# Altium PCB duo_x.PcbDoc (part 1 of 3) (continued)
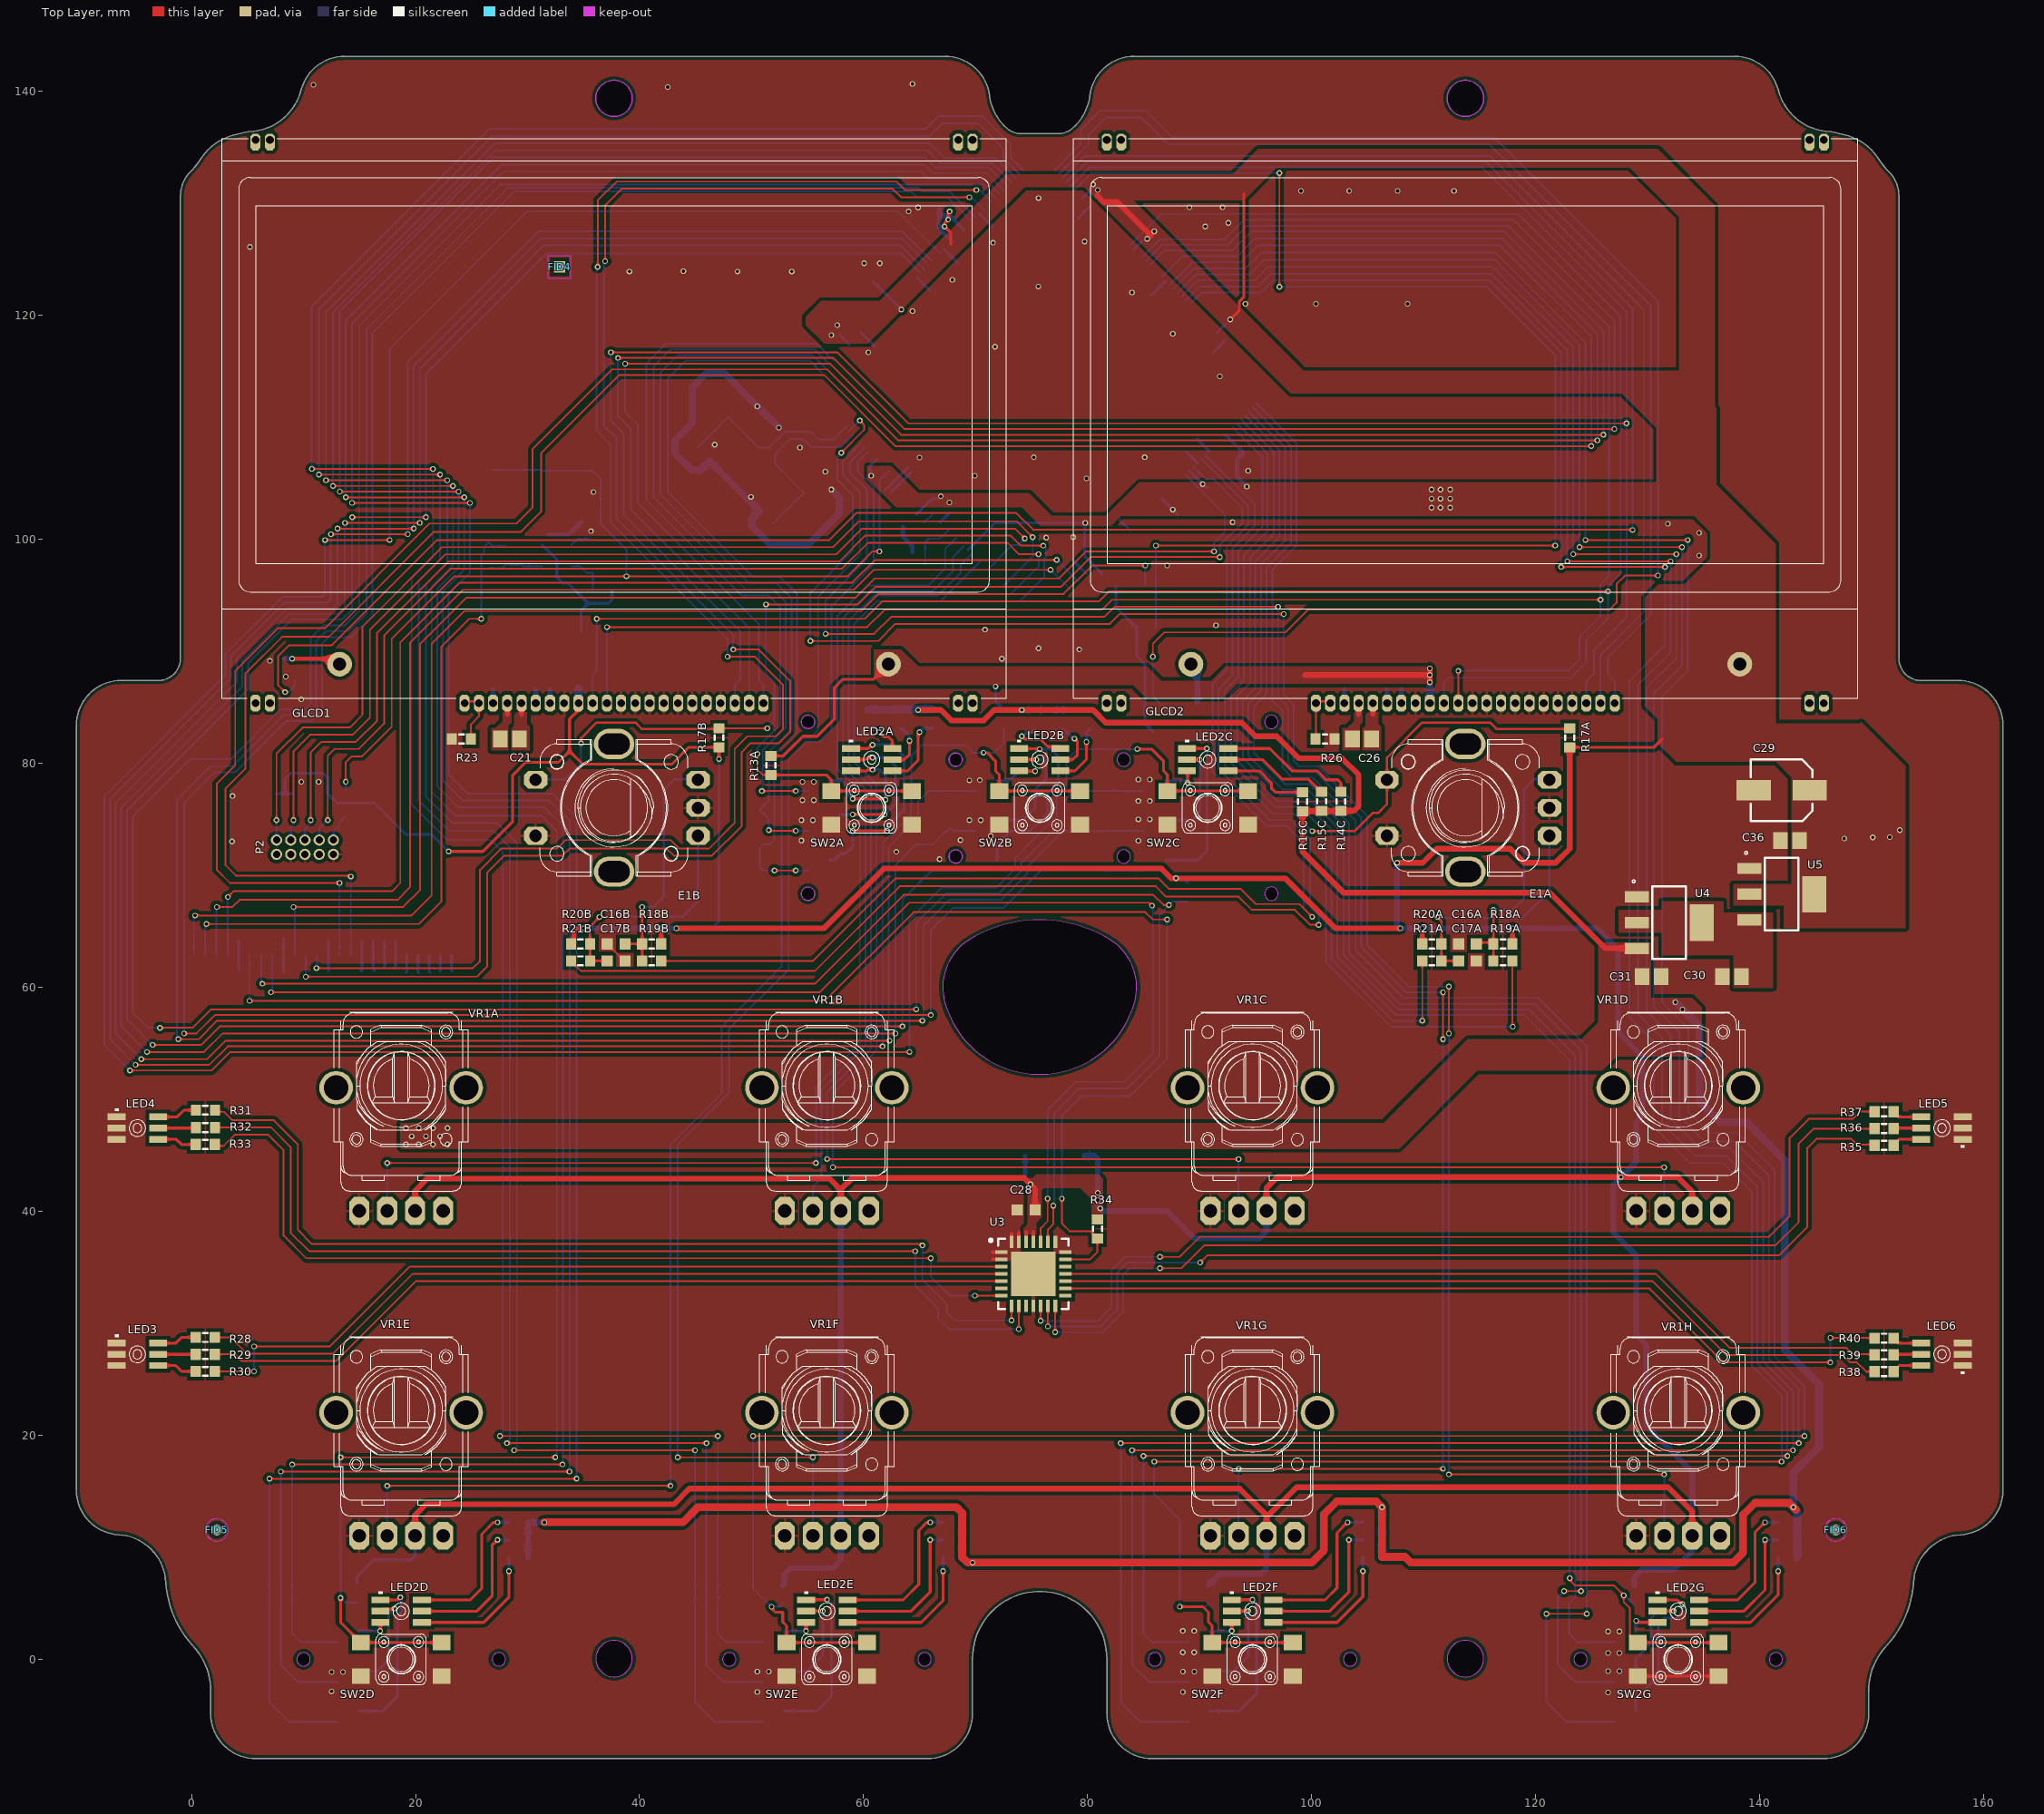
[diagram p0: Top Layer view]
## Part data (continued)
Q1 Q2A Q2B Q2C Q2D Q2E Q2F Q2G Q3A Q3B Q3C Q3D Q3E Q3F Q3G Q4A Q4B Q4C Q4D Q4E Q4F Q4G Q5 Q6: "MOSFET N-CH 60V 115MA SOT-23", Case/Package=SOT-23, Continuous Drain Current (ID)=115mA, Drain to Source Breakdown Voltage=60V, Drain to Source Resistance=1.2R, Gate to Source Voltage (Vgs)=20V, Input Capacitance=50pF, Manufacturer 1="ON Semiconductor / Fairchild", Max Operating Temperature=150°C, Max Power Dissipation=200mW, Min Operating Temperature=-55°C, On-State Resistance=5.3R, Package Quantity=1, Supplier Part Number 1=2N7002NCT-ND, Threshold Voltage=2.1V, ComponentLink1Description=https://datasheet.ciiva.com/931/2n7000-931777.pdf, ComponentLink1URL=https://datasheet.ciiva.com/931/2n7000-931777.pdf, ComponentLink2Description=https://datasheet.ciiva.com/27746/47-0120-27746881.pdf, ComponentLink2URL=https://datasheet.ciiva.com/27746/47-0120-27746881.pdf, ComponentLink3Description=https://datasheet.ciiva.com/1254/2n7002-1254451.pdf, ComponentLink3URL=https://datasheet.ciiva.com/1254/2n7002-1254451.pdf, ComponentLink4Description=https://datasheet.ciiva.com/15137/getdatasheetpartid-93547-15137771.pdf, ComponentLink4URL=https://datasheet.ciiva.com/15137/getdatasheetpartid-93547-15137771.pdf, ComponentLink5Description=https://datasheet.ciiva.com/931/2n7000-931762.pdf, ComponentLink5URL=https://datasheet.ciiva.com/931/2n7000-931762.pdf, ComponentLink6Description=https://datasheet.ciiva.com/931/2n7000-931763.pdf, ComponentLink6URL=https://datasheet.ciiva.com/931/2n7000-931763.pdf, ComponentLink7Description=https://datasheet.ciiva.com/931/2n7000-931764.pdf, ComponentLink7URL=https://datasheet.ciiva.com/931/2n7000-931764.pdf, ComponentLink8Description=https://datasheet.ciiva.com/1254/660093-1254452.pdf, ComponentLink8URL=https://datasheet.ciiva.com/1254/660093-1254452.pdf, ComponentLink9Description=https://datasheet.ciiva.com/1188/660093-1188359.pdf, ComponentLink9URL=https://datasheet.ciiva.com/1188/660093-1188359.pdf, ComponentLink10Description=https://datasheet.ciiva.com/1188/660093-1188361.pdf, ComponentLink10URL=https://datasheet.ciiva.com/1188/660093-1188361.pdf, ComponentLink11Description=https://datasheet.ciiva.com/17007/2n7002-17007243.pdf, ComponentLink11URL=https://datasheet.ciiva.com/17007/2n7002-17007243.pdf, ComponentLink12Description=https://datasheet.ciiva.com/3304/nds7002a-3304380.pdf, ComponentLink12URL=https://datasheet.ciiva.com/3304/nds7002a-3304380.pdf, ComponentLink13Description=https://datasheet.ciiva.com/3304/nds7002a-3304381.pdf, ComponentLink13URL=https://datasheet.ciiva.com/3304/nds7002a-3304381.pdf, ComponentLink14Description=https://datasheet.ciiva.com/22655/660093-22655230.pdf, ComponentLink14URL=https://datasheet.ciiva.com/22655/660093-22655230.pdf, Contact Plating=Tin,Matte, Current=115mA, Current Rating=115mA, Drain to Source Voltage (Vdss)=60V, Dual Supply Voltage=60V, Element Configuration=Single, Height=0.93mm, Lead Free="Lead Free", Length=2.92mm, Manufacturer Part Number 1=2N7002, Mount="Surface Mount", Nominal Vgs=2.1V, Number of Elements=1, Number of Pins=3, Packaging="Tape and Reel", Power Dissipation=200mW, Pricing 1="1=0.33, 10=0.304, 100=0.17, 500=0.09108, 1000=0.06193 (USD)", Radiation Hardening=No, Rds On Max=7.5R, REACH SVHC="No SVHC", Stock 1=111118, Supplier 1=Digi-Key, Voltage=60V, Voltage Rating (DC)=60V, Width=3.05mm
R1 R6 R7 R8 R9 R10 R11 R12 R13A R13B R13C R13D R13E R13F R13G R17A R17B R18A R18B R19A R19B R20A R20B R21A R21B R23 R26 R34: library part AC0603JR-0710KL, "RES SMD 10K OHM 5% 1/10W 0603", Case/Package=0603, Case Code (Metric)=1608, Manufacturer 1=Yageo, Max Operating Temperature=155°C, Max Power Dissipation=100mW, Min Operating Temperature=-55°C, Package Quantity=1, Resistance=10kR, Supplier Part Number 1=311-10KLECT-ND, Temperature Coefficient=100ppm/°C, Tolerance=5%, Voltage Rating=50V, Case Code (Imperial)=0603, ComponentLink1Description=https://datasheet.ciiva.com/5562/pyu-ac-51-rohs-l-2-5562553.pdf, ComponentLink1URL=https://datasheet.ciiva.com/5562/pyu-ac-51-rohs-l-2-5562553.pdf, Composition="Thick Film", Depth=0.8mm, Features="Moisture Resistant,Automotive AEC-Q200,Anti-Sulfur", Height=0.022inch, Lead Free="Lead Free", Length=0.063inch, Manufacturer Part Number 1=AC0603JR-0710KL, Military Standard=Not, Number of Terminations=2, Packaging="Tape and Reel", Power Rating=100mW, Pricing 1="1=0.1, 10=0.032, 100=0.0131, 1000=0.00588, 2500=0.0051 (USD)", Stock 1=60451, Supplier 1=Digi-Key, Termination=SMD/SMT, Width=0.031inch
R2 R3 R4 R24A R24B R24C R24D R24E R24F R24G R27A R27B R27C R27D R27E R27F R27G R46A R46B R46C R46D R46E R46F R46G: library part ESR03EZPJ104, "RES SMD 100K OHM 5% 1/4W 0603", Case/Package=0603, Case Code (Metric)=1608, Manufacturer 1=Rohm, Max Operating Temperature=155°C, Max Power Dissipation=250mW, Min Operating Temperature=-55°C, Package Quantity=1, Power Rating=200mW, Resistance=100kR, Supplier Part Number 1=RHM100KDCT-ND, Temperature Coefficient=200ppm/°C, Tolerance=5%, Case Code (Imperial)=0603, ComponentLink1Description=https://datasheet.ciiva.com/14930/esr-14930633.pdf, ComponentLink1URL=https://datasheet.ciiva.com/14930/esr-14930633.pdf, ComponentLink2Description=https://datasheet.ciiva.com/14924/esr-14924811.pdf, ComponentLink2URL=https://datasheet.ciiva.com/14924/esr-14924811.pdf, ComponentLink3Description=https://datasheet.ciiva.com/14928/esr-14928813.pdf, ComponentLink3URL=https://datasheet.ciiva.com/14928/esr-14928813.pdf, Composition="Thick Film", Height=0.022inch, Lead Free="Lead Free", Length=0.063inch, Manufacturer Part Number 1=ESR03EZPJ104, Number of Terminations=2, Packaging="Cut Tape", Pricing 1="1=0.1, 10=0.087, 100=0.0333, 1000=0.01464, 2500=0.01264 (USD)", Stock 1=17901, Supplier 1=Digi-Key, Width=0.031inch
R5: library part RMCF0603JT160K, "RES SMD 160K OHM 5% 1/10W 0603", Case/Package=0603, Case Code (Metric)=1608, Manufacturer 1="Stackpole Electronics", Max Operating Temperature=155°C, Max Power Dissipation=100mW, Min Operating Temperature=-55°C, Resistance=160kR, Supplier Part Number 1=RMCF0603JT160KCT-ND, Temperature Coefficient=100ppm/°C, Tolerance=5%, Case Code (Imperial)=0603, Composition="Thick Film", Contact Plating=Tin,Matte, Features="Automotive AEC-Q200", Height=0.022inch, Lead Free="Lead Free", Length=0.061inch, Manufacturer Part Number 1=RMCF0603JT160K, Mount="Surface Mount", Number of Terminations=2, Packaging="Tape and Reel", Power Rating=100mW, Pricing 1="1=0.1, 10=0.016, 100=0.0064, 1000=0.00289, 2500=0.0025 (USD)", Radiation Hardening=No, Stock 1=10640, Supplier 1=Digi-Key, Width=0.031inch
R14A R14B R14C R14D R14E R14F R14G: library part AC0603JR-07560RL, "RES SMD 560 OHM 5% 1/10W 0603", Case/Package=0603, Case Code (Metric)=1608, Manufacturer 1=Yageo, Max Operating Temperature=155°C, Max Power Dissipation=100mW, Min Operating Temperature=-55°C, Supplier Part Number 1=YAG3681CT-ND, Temperature Coefficient=100ppm/°C, Tolerance=5%, Voltage Rating=50V, Case Code (Imperial)=0603, ComponentLink1Description=http://www.yageo.com/NewPortal/yageodocoutput?fileName=/pdf/R-Chip/PYu-AC_51_RoHS_L_6.pdf, ComponentLink1URL=http://www.yageo.com/NewPortal/yageodocoutput?fileName=/pdf/R-Chip/PYu-AC_51_RoHS_L_6.pdf, ComponentLink2Description=http://www.mouser.com/ds/2/447/yageodocoutput-1111992.pdf, ComponentLink2URL=http://www.mouser.com/ds/2/447/yageodocoutput-1111992.pdf, Composition="Thick Film", Height=0.022inch, Length=0.063inch, Manufacturer Part Number 1=AC0603JR-07560RL, Number of Terminations=2, Packaging="Tape and Reel", Power Rating=100mW, Pricing 1="1=0.1, 10=0.026, 100=0.0107, 1000=0.00478, 2500=0.00415 (USD)", Resistance=560R, Stock 1=24630, Supplier 1=Digi-Key, Termination=SMD/SMT, Width=0.031inch
R15A R15B R15C R15D R15E R15F R15G R16A R16B R16C R16D R16E R16F R16G: library part RMCF0603JT470R, "RES SMD 470 OHM 5% 1/10W 0603", Case/Package=0603, Case Code (Metric)=1608, Manufacturer 1="Stackpole Electronics", Max Operating Temperature=155°C, Max Power Dissipation=100mW, Min Operating Temperature=-55°C, Package Quantity=1, Supplier Part Number 1=RMCF0603JT470RCT-ND, Temperature Coefficient=100ppm/°C, Tolerance=5%, Working Voltage=75V, Case Code (Imperial)=0603, ComponentLink1Description=https://datasheet.ciiva.com/15193/getdatasheetpartid-360691-15193516.pdf, ComponentLink1URL=https://datasheet.ciiva.com/15193/getdatasheetpartid-360691-15193516.pdf, Composition="Thick Film", Contact Plating=Tin,Matte, Depth=0.8mm, Features="Automotive AEC-Q200", Height=0.022inch, Lead Free="Lead Free", Length=1.55mm, Manufacturer Part Number 1=RMCF0603JT470R, Military Standard=Not, Mount="Surface Mount", Number of Terminations=2, Packaging="Tape and Reel", Power Rating=100mW, Pricing 1="1=0.1, 10=0.013, 100=0.0051, 1000=0.0023, 2500=0.002 (USD)", Radiation Hardening=No, Resistance=470R, Stock 1=1799, Supplier 1=Digi-Key, Width=0.031inch
R22 R25: library part CR0603-JW-106ELF, "RES SMD 10M OHM 5% 1/10W 0603", Case/Package=0603, Case Code (Metric)=1608, Manufacturer 1=Bourns, Max Operating Temperature=155°C, Max Power Dissipation=100mW, Min Operating Temperature=-55°C, Package Quantity=5000, Resistance=10MR, Supplier Part Number 1=CR0603-JW-106ELFCT-ND, Temperature Coefficient=200ppm/°C, Tolerance=5%, Voltage Rating=50V, Case Code (Imperial)=0603, ComponentLink1Description=https://datasheet.ciiva.com/9122/chpreztr-9122300.pdf, ComponentLink1URL=https://datasheet.ciiva.com/9122/chpreztr-9122300.pdf, ComponentLink2Description=https://datasheet.ciiva.com/18605/chpreztr-18605117.pdf, ComponentLink2URL=https://datasheet.ciiva.com/18605/chpreztr-18605117.pdf, ComponentLink3Description=https://datasheet.ciiva.com/18605/chpreztr-18605118.pdf, ComponentLink3URL=https://datasheet.ciiva.com/18605/chpreztr-18605118.pdf, ComponentLink4Description=https://datasheet.ciiva.com/18605/chpreztr-18605119.pdf, ComponentLink4URL=https://datasheet.ciiva.com/18605/chpreztr-18605119.pdf, Composition="Thick Film", Contact Plating=Tin, Depth=0.8mm, Height=0.022inch, Length=1.6mm, Manufacturer Part Number 2=CR0603-JW-106ELF, Military Standard=Not, Mount="Surface Mount", Number of Terminations=2, Packaging="Tape and Reel", Power Rating=100mW, Pricing 1="1=0.1, 10=0.016, 100=0.0064, 1000=0.00289, 2500=0.0025 (USD)", Radiation Hardening=No, Stock 1=29967, Supplier 1=Digi-Key, Termination=SMD/SMT, Thickness=457um, Width=0.8mm
R28 R29 R30 R31 R32 R33 R35 R36 R37 R38 R39 R40: library part CRCW0603220RJNEA, "RES SMD 220 OHM 5% 1/10W 0603", Case/Package=0603, Case Code (Metric)=1608, Manufacturer 1=Vishay, Max Operating Temperature=155°C, Max Power Dissipation=100mW, Min Operating Temperature=-55°C, Package Quantity=1, Supplier Part Number 1=541-220GCT-ND, Temperature Coefficient=200ppm/°C, Tolerance=5%, Voltage Rating=75V, Case Code (Imperial)=0603, ComponentLink1Description=https://datasheet.ciiva.com/2524/dcrcwe3-2524384.pdf, ComponentLink1URL=https://datasheet.ciiva.com/2524/dcrcwe3-2524384.pdf, ComponentLink2Description=https://datasheet.ciiva.com/2524/dcrcwe3-2524385.pdf, ComponentLink2URL=https://datasheet.ciiva.com/2524/dcrcwe3-2524385.pdf, ComponentLink3Description=https://datasheet.ciiva.com/2524/dcrcwe3-2524386.pdf, ComponentLink3URL=https://datasheet.ciiva.com/2524/dcrcwe3-2524386.pdf, ComponentLink4Description=https://datasheet.ciiva.com/8339/dcrcwe3-8339958.pdf, ComponentLink4URL=https://datasheet.ciiva.com/8339/dcrcwe3-8339958.pdf, ComponentLink5Description=https://datasheet.ciiva.com/22869/70201119-22869142.pdf, ComponentLink5URL=https://datasheet.ciiva.com/22869/70201119-22869142.pdf, ComponentLink6Description=https://datasheet.ciiva.com/46448/1807946-46448601.pdf, ComponentLink6URL=https://datasheet.ciiva.com/46448/1807946-46448601.pdf, ComponentLink7Description=https://datasheet.ciiva.com/5550/dcrcwe3-109170-5550730.pdf, ComponentLink7URL=https://datasheet.ciiva.com/5550/dcrcwe3-109170-5550730.pdf, Composition="Thick Film", Contact Plating=Tin, Depth=0.85mm, Features="Automotive AEC-Q200", Height=0.45mm, Length=1.55mm, Manufacturer Part Number 1=CRCW0603220RJNEA, Military Standard=Not, Mount="Surface Mount", Number of Terminations=2, Packaging="Tape and Reel", Power Rating=100mW, Pricing 1="1=0.1, 10=0.031, 100=0.0125, 1000=0.00563, 2500=0.00488 (USD)", Radiation Hardening=No, REACH SVHC=Unknown, Resistance=220R, Stock 1=284000, Supplier 1=Digi-Key, Termination=SMD/SMT, Weight=7.1E-05oz, Width=0.033inch, Working Voltage=75V
SW1: "SWITCH TACTILE SPST-NO 0.05A 15V", Case/Package=SMD/SMT, Colour=Yellow, Contact Resistance=200mR, Current Rating=50mA, Manufacturer 1=E-Switch, Max Operating Temperature=70°C, Max Voltage Rating (DC)=15V, Min Operating Temperature=-20°C, Operating Force=100gf, Package Quantity=1, Supplier Part Number 1=EG4620CT-ND, Actuator Length=0mm, ComponentLink1Description=https://datasheet.ciiva.com/2900/p010336b-2900756.pdf, ComponentLink1URL=https://datasheet.ciiva.com/2900/p010336b-2900756.pdf, ComponentLink2Description=https://datasheet.ciiva.com/5284/tl3315-7499-5284548.pdf, ComponentLink2URL=https://datasheet.ciiva.com/5284/tl3315-7499-5284548.pdf, ComponentLink3Description=https://datasheet.ciiva.com/2900/tl3315-2900757.pdf, ComponentLink3URL=https://datasheet.ciiva.com/2900/tl3315-2900757.pdf, ComponentLink4Description=https://datasheet.ciiva.com/2900/tl3315-2900758.pdf, ComponentLink4URL=https://datasheet.ciiva.com/2900/tl3315-2900758.pdf, ComponentLink5Description=https://datasheet.ciiva.com/16156/tl3315-16156332.pdf, ComponentLink5URL=https://datasheet.ciiva.com/16156/tl3315-16156332.pdf, Contact Material=Silver, Contact Plating=Silver, Electrical Life=1000000Cycles, Illumination Type=Non-Illuminated, Lead Free="Lead Free", Manufacturer Part Number 1=TL3315NF100Q, Mechanical Life=1000000Cycles, Mount="Surface Mount", Orientation=Straight, Packaging="Tape and Reel", Pricing 1="1=0.22, 10=0.214, 25=0.2064, 50=0.199, 100=0.1879, 250=0.17688, 500=0.16952, 1000=0.12898 (USD)", Stock 1=699659, Supplier 1=Digi-Key, Switch Function=Off-Mom, Switch Travel=0.2mm, Termination="Gull Wing", Throw Configuration=SPST, Voltage Rating (DC)=15V
SW2A SW2B SW2C SW2D SW2E SW2F SW2G: library part TL3305AF160QG, "SWITCH TACTILE SPST-NO 50MA 12V", Manufacturer 1=E-Switch, Max Operating Temperature=70°C, Min Operating Temperature=-20°C, Operating Force=160gf, Supplier Part Number 1=EG5350CT-ND, Illumination Type=Non-Illuminated, Lead Free="Lead Free", Manufacturer Part Number 1=TL3305AF160QG, Mechanical Life=500000Cycles, Mount="Surface Mount", Packaging="Tape and Reel", Pricing 1="1=0.22, 10=0.217, 25=0.2096, 50=0.202, 100=0.1907, 250=0.17952, 500=0.17204, 1000=0.1309 (USD)", Stock 1=67156, Supplier 1=Digi-Key, Switch Function=Off-Mom, Switch Travel=0.2mm, Termination="Gull Wing", Throw Configuration=SPST
U1: library part IC_LPC1777FBD208,551, "IC MCU 32BIT 512KB FLASH 208LQFP", Case/Package=LQFP, Frequency=120MHz, Manufacturer 1="NXP Semiconductors", Manufacturer Part Number 1=LPC1777FBD208,551, Max Operating Temperature=85°C, Max Power Dissipation=1.5W, Max Supply Voltage=3.6V, Min Operating Temperature=-40°C, Min Supply Voltage=2.4V, Operating Supply Voltage=3.3V, Package Quantity=36, Supplier Part Number 1=568-7570-ND, ComponentLink1Description=http://www.farnell.com/datasheets/1859465.pdf, ComponentLink1URL=http://www.farnell.com/datasheets/1859465.pdf, ComponentLink2Description=http://www.nxp.com/documents/data_sheet/LPC178X_7X.pdf, ComponentLink2URL=http://www.nxp.com/documents/data_sheet/LPC178X_7X.pdf, Core Architecture=ARM, Data Bus Width=32b, Height=1.45mm, Interface=CAN,EBI/EMI,I2C,I2S,MMC,SPI,SSP,UART,USART,USB, Lead Free="Lead Free", Length=28.1mm, Max Frequency=120MHz, Memory Size=512KB, Memory Type=FLASH, Mount="Surface Mount", Number of ADC Channels=8, Number of I2C Channels=3, Number of I/Os=165, Number of Pins=208, Number of Programmable I/O=165, Number of PWM Channels=6, Number of SPI Channels=3, Number of Timers/Counters=4, Number of UART Channels=5, Oscillator Type=Internal, Packaging=Tray, Peripherals="Brown-out Detect/Reset,DMA,I2C,POR,PWM,WDT", Pricing 1="1=11.31, 36=9.96583, 108=8.78083, 504=7.81115, 1008=7.16471 (USD)", Radiation Hardening=No, RAM Size=96KB, REACH SVHC="No SVHC", Stock 1=106, Supplier 1=Digi-Key, Watchdog Timer=Yes, Width=28.1mm
U2: library part IC_MCP6001T-I/OT, "IC OPAMP GP 1MHZ RRO SOT23-5", Case/Package=SOT-23, Input Bias Current=1pA, Input Offset Voltage (Vos)=4.5mV, Manufacturer 1=Microchip, Manufacturer Part Number 1=MCP6001T-I/OT, Max Operating Temperature=85°C, Max Supply Voltage=6V, Min Operating Temperature=-40°C, Min Supply Voltage=1.8V, Nominal Supply Current=100uA, Operating Supply Voltage=5.5V, Output Current=23mA, Package Quantity=1, Power Supply Rejection Ratio (PSRR)=86dB, Supplier Part Number 1=MCP6001T-I/OTCT-ND, Voltage Gain=112dB, Bandwidth=1MHz, Common Mode Rejection Ratio=60dB, ComponentLink1Description=https://datasheet.ciiva.com/1793/21733j-1793040.pdf, ComponentLink1URL=https://datasheet.ciiva.com/1793/21733j-1793040.pdf, ComponentLink2Description=https://datasheet.ciiva.com/16199/filehandler-aspxddocname-en011705-16199408.pdf, ComponentLink2URL=https://datasheet.ciiva.com/16199/filehandler-aspxddocname-en011705-16199408.pdf, ComponentLink3Description=https://datasheet.ciiva.com/26344/651487-da-01-en-ic-opamp-mcp6001t-i-ot-sot-23-5-mcp-26344500.pdf, ComponentLink3URL=https://datasheet.ciiva.com/26344/651487-da-01-en-ic-opamp-mcp6001t-i-ot-sot-23-5-mcp-26344500.pdf, ComponentLink4Description=https://datasheet.ciiva.com/1793/21733j-1793041.pdf, ComponentLink4URL=https://datasheet.ciiva.com/1793/21733j-1793041.pdf, ComponentLink5Description=https://datasheet.ciiva.com/1793/21733j-1793042.pdf, ComponentLink5URL=https://datasheet.ciiva.com/1793/21733j-1793042.pdf, ComponentLink6Description=https://datasheet.ciiva.com/16796/jp011705-16796421.pdf, ComponentLink6URL=https://datasheet.ciiva.com/16796/jp011705-16796421.pdf, ComponentLink7Description=https://datasheet.ciiva.com/8078/524878-8078826.pdf, ComponentLink7URL=https://datasheet.ciiva.com/8078/524878-8078826.pdf, ComponentLink8Description=https://datasheet.ciiva.com/14544/70045422-14544795.pdf, ComponentLink8URL=https://datasheet.ciiva.com/14544/70045422-14544795.pdf, ComponentLink9Description=https://datasheet.ciiva.com/8078/524878-8078829.pdf, ComponentLink9URL=https://datasheet.ciiva.com/8078/524878-8078829.pdf, ComponentLink10Description=https://datasheet.ciiva.com/14151/mcp6001-2-4-eng-tds-14151487.pdf, ComponentLink10URL=https://datasheet.ciiva.com/14151/mcp6001-2-4-eng-tds-14151487.pdf, Contact Plating=Tin,Matte, Gain Bandwidth Product=1MHz, Height=1.3mm, Lead Free="Lead Free", Length=3.1mm, Mount="Surface Mount", Number of Amplifiers=1, Number of Channels=1, Number of Circuits=1, Number of Elements=1, Number of Pins=5, Operating Supply Current=100uA, Output Current per Channel=23mA, Packaging="Tape and Reel", Pricing 1="1=0.25, 25=0.206 (USD)", Radiation Hardening=No, REACH SVHC="No SVHC", Slew Rate=0.6V/µs, Stock 1=3412, Supplier 1=Digi-Key, Unity Gain Bandwidth Product=1MHz, Voltage=6V, Width=1.8mm
U3: library part IC_PCA9685BS,118, "IC LED DRVR LIN DIM 25MA 28HVQFN", Case/Package=VQFN, Frequency=50MHz, Manufacturer 1="NXP Semiconductors", Manufacturer Part Number 1=PCA9685BS,118, Max Operating Temperature=85°C, Min Operating Temperature=-40°C, Output Voltage=5.5V, Package Quantity=1, Supplier Part Number 1=568-5305-1-ND, ComponentLink1Description=https://datasheet.ciiva.com/12278/pca9685-62190-12278354.pdf, ComponentLink1URL=https://datasheet.ciiva.com/12278/pca9685-62190-12278354.pdf, ComponentLink2Description=https://datasheet.ciiva.com/8125/pca9685-8125351.pdf, ComponentLink2URL=https://datasheet.ciiva.com/8125/pca9685-8125351.pdf, ComponentLink3Description=https://datasheet.ciiva.com/1945/pca9685-1945099.pdf, ComponentLink3URL=https://datasheet.ciiva.com/1945/pca9685-1945099.pdf, ComponentLink4Description=https://datasheet.ciiva.com/1945/pca9685-1945100.pdf, ComponentLink4URL=https://datasheet.ciiva.com/1945/pca9685-1945100.pdf, ComponentLink5Description=https://datasheet.ciiva.com/1945/pca9685-1945101.pdf, ComponentLink5URL=https://datasheet.ciiva.com/1945/pca9685-1945101.pdf, Contact Plating=Gold, Mount="Surface Mount", Number of Outputs=16, Number of Pins=28, Packaging="Tape and Reel", Pricing 1="1=2.46, 10=2.205, 100=1.7727, 500=1.45642, 1000=1.20675 (USD)", Radiation Hardening=No, Stock 1=4307, Supplier 1=Digi-Key
U4: "IC REG LINEAR 5V 1A SOT223", Case/Package=SOT-223, Dropout Voltage=1.2V, Input Bias Current=6mA, Manufacturer 1="ON Semiconductor", Max Input Voltage=20V, Max Operating Temperature=125°C, Max Output Current=1A, Min Input Voltage=3.5V, Min Operating Temperature=0°C, Nominal Output Voltage=5V, Output Voltage Accuracy=1%, Package Quantity=1, Power Rating=781mW, Quiescent Current=10mA, Supplier Part Number 1=NCP1117ST50T3GOSTR-ND, Accuracy=1%, Category="Voltage Regulators - Linear", ComponentLink1Description=https://datasheet.ciiva.com/28483/1748260-28483320.pdf?src-supplier=Element14, ComponentLink1URL=https://datasheet.ciiva.com/28483/1748260-28483320.pdf?src-supplier=Element14, ComponentLink2Description=https://datasheet.ciiva.com/8073/ncp1117-d-8073902.pdf?src-supplier=Element14, ComponentLink2URL=https://datasheet.ciiva.com/8073/ncp1117-d-8073902.pdf?src-supplier=Element14, ComponentLink3Description=https://datasheet.ciiva.com/8073/ncp1117-d-8073736.pdf?src-supplier=Element14, ComponentLink3URL=https://datasheet.ciiva.com/8073/ncp1117-d-8073736.pdf?src-supplier=Element14, ComponentLink4Description=https://datasheet.ciiva.com/8231/ncp1117-d-8231068.pdf?src-supplier=Avnet, ComponentLink4URL=https://datasheet.ciiva.com/8231/ncp1117-d-8231068.pdf?src-supplier=Avnet, ComponentLink5Description=https://datasheet.ciiva.com/16209/ncp1117-d-16209561.pdf?src-supplier=Future+Electronics, ComponentLink5URL=https://datasheet.ciiva.com/16209/ncp1117-d-16209561.pdf?src-supplier=Future+Electronics, ComponentLink6Description=https://datasheet.ciiva.com/25978/ncp1117-d-25978293.pdf?src-supplier=Avnet+Europe, ComponentLink6URL=https://datasheet.ciiva.com/25978/ncp1117-d-25978293.pdf?src-supplier=Avnet+Europe, ComponentLink7Description=https://datasheet.ciiva.com/16491/ncp1117-d-16491895.pdf?src-supplier=Avnet+Asia, ComponentLink7URL=https://datasheet.ciiva.com/16491/ncp1117-d-16491895.pdf?src-supplier=Avnet+Asia, ComponentLink8Description=https://datasheet.ciiva.com/8233/ncp1117-d-8233593.pdf?src-supplier=Avnet, ComponentLink8URL=https://datasheet.ciiva.com/8233/ncp1117-d-8233593.pdf?src-supplier=Avnet, ComponentLink9Description=https://datasheet.ciiva.com/2042/ncp1117-d-2042019.pdf?src-supplier=Digi-Key, ComponentLink9URL=https://datasheet.ciiva.com/2042/ncp1117-d-2042019.pdf?src-supplier=Digi-Key, ComponentLink10Description=https://datasheet.ciiva.com/2042/ncp1117-d-2042020.pdf?src-supplier=Digi-Key, ComponentLink10URL=https://datasheet.ciiva.com/2042/ncp1117-d-2042020.pdf?src-supplier=Digi-Key, ComponentLink11Description=https://datasheet.ciiva.com/2042/ncp1117-d-2042018.pdf?src-supplier=Digi-Key, ComponentLink11URL=https://datasheet.ciiva.com/2042/ncp1117-d-2042018.pdf?src-supplier=Digi-Key, Contact Plating=Tin,Matte, Halogen Free="Halogen Free", Height=1.69mm, Lead Free="Lead Free", Length=6.7mm, Manufacturer Part Number 1=NCP1117ST50T3G, Min Current Limit=1A, Number of Outputs=1, Number of Pins=4, Number of Regulators=1, Output Current=1A, Output Type=Fixed, Output Voltage=5V, Packaging="Tape and Reel", Polarity=Positive, Pricing 1="4000=0.25323 (USD)", Radiation Hardening=No, REACH SVHC="No SVHC", RoHS=Yes, RoHS Compliant=Yes, Supplier 1=Digi-Key, Tolerance=1%, Width=3.7mm
U5: "IC REG LINEAR 3.3V 1A SOT223", Case/Package=SOT-223, Dropout Voltage=1.07V, Input Bias Current=6mA, Manufacturer 1="ON Semiconductor", Max Input Voltage=20V, Max Operating Temperature=125°C, Max Output Current=1A, Max Output Voltage=3.3V, Max Supply Voltage=15V, Min Input Voltage=3.5V, Min Operating Temperature=0°C, Min Supply Voltage=4.75V, Output Voltage Accuracy=1%, Package Quantity=1, Quiescent Current=10mA, Reference Voltage=1.25V, Supplier Part Number 1=NCP1117ST33T3GOSCT-ND, Accuracy=1%, Category="Voltage Regulators - Linear", ComponentLink1Description=https://datasheet.ciiva.com/22697/1726422-22697602.pdf?src-supplier=Element14, ComponentLink1URL=https://datasheet.ciiva.com/22697/1726422-22697602.pdf?src-supplier=Element14, ComponentLink2Description=https://datasheet.ciiva.com/3224/ncp1117-d-3224144.pdf?src-supplier=Avnet, ComponentLink2URL=https://datasheet.ciiva.com/3224/ncp1117-d-3224144.pdf?src-supplier=Avnet, ComponentLink3Description=https://datasheet.ciiva.com/15111/getdatasheetpartid-82718-15111483.pdf?src-supplier=Verical, ComponentLink3URL=https://datasheet.ciiva.com/15111/getdatasheetpartid-82718-15111483.pdf?src-supplier=Verical, ComponentLink4Description=https://datasheet.ciiva.com/8073/1726422-8073735.pdf?src-supplier=Element14, ComponentLink4URL=https://datasheet.ciiva.com/8073/1726422-8073735.pdf?src-supplier=Element14, ComponentLink5Description=https://datasheet.ciiva.com/28483/1748260-28483307.pdf?src-supplier=Element14, ComponentLink5URL=https://datasheet.ciiva.com/28483/1748260-28483307.pdf?src-supplier=Element14, ComponentLink6Description=https://datasheet.ciiva.com/16382/ncp1117-d-16382636.pdf?src-supplier=Future+Electronics, ComponentLink6URL=https://datasheet.ciiva.com/16382/ncp1117-d-16382636.pdf?src-supplier=Future+Electronics, ComponentLink7Description=https://datasheet.ciiva.com/8233/ncp1117-d-8233589.pdf?src-supplier=Avnet, ComponentLink7URL=https://datasheet.ciiva.com/8233/ncp1117-d-8233589.pdf?src-supplier=Avnet, ComponentLink8Description=https://datasheet.ciiva.com/2042/ncp1117-d-2042028.pdf?src-supplier=Digi-Key, ComponentLink8URL=https://datasheet.ciiva.com/2042/ncp1117-d-2042028.pdf?src-supplier=Digi-Key, ComponentLink9Description=https://datasheet.ciiva.com/2042/ncp1117-d-2042029.pdf?src-supplier=Digi-Key, ComponentLink9URL=https://datasheet.ciiva.com/2042/ncp1117-d-2042029.pdf?src-supplier=Digi-Key, Contact Plating=Tin,Matte, Halogen Free="Halogen Free", Height=1.69mm, Lead Free="Lead Free", Length=6.7mm, Manufacturer Part Number 1=NCP1117ST33T3G, Min Current Limit=1A, Min Output Voltage=3.3V, Mount="Surface Mount", Nominal Output Voltage=3.3V, Number of Outputs=1, Number of Pins=3, Number of Regulators=1, Output Current=1A, Output Type=Fixed, Output Voltage=3.3V, Packaging="Tape and Reel", Polarity=Positive, Pricing 1="1=0.67000, 10=0.57500, 25=0.53680, 100=0.42950, 250=0.39880, 500=0.33744, 1000=0.26075 (USD)", Radiation Hardening=No, REACH SVHC="No SVHC", RoHS=Yes, RoHS Compliant=Yes, Supplier 1=Digi-Key, Termination=SMD/SMT, Width=3.7mm
VR1A VR1B VR1C VR1D VR1E VR1F VR1G VR1H: library part PTV111-3415A-B103, "POT 10K OHM 1/20W CARBON LINEAR", Manufacturer 1=Bourns, Max Operating Temperature=50°C, Max Power Dissipation=50mW, Min Operating Temperature=-10°C, Package Quantity=100, Resistance=10kR, Supplier Part Number 1=PTV111-3415A-B103-ND, Tolerance=20%, Voltage Rating (DC)=20V, Actuator Diameter=0.236inch, Actuator Length=0.591inch, ComponentLink1Description=https://datasheet.ciiva.com/11831/0900766b80fa58ed-11831312.pdf, ComponentLink1URL=https://datasheet.ciiva.com/11831/0900766b80fa58ed-11831312.pdf, ComponentLink2Description=https://datasheet.ciiva.com/6249/ptvptt-6249367.pdf, ComponentLink2URL=https://datasheet.ciiva.com/6249/ptvptt-6249367.pdf, Composition=Potentiometer,Carbon, Height=7.5mm, Hole Diameter=9mm, Length=12mm, Manufacturer Part Number 1=PTV111-3415A-B103, Military Standard=Not, Mount="Through Hole,Panel,Brackets", Number of Gangs=1, Number of Turns=1, Packaging=Bulk, Power Rating=50mW, Pricing 1="1=1.36, 10=1.2, 25=1.08, 50=1.04, 100=1, 300=0.94, 500=0.8, 1000=0.74, 5000=0.608 (USD)", Radiation Hardening=No, REACH SVHC="No SVHC", Stock 1=227, Supplier 1=Digi-Key, Taper=Linear, Termination=Pin, Type=Potentiometer
Y1: library part FC4SDCBMF12.0-T1, "CRYSTAL 12.0000MHZ 20PF SMD", Manufacturer 1="Fox Electronics", Supplier Part Number 1=631-1013-1-ND, Manufacturer Part Number 1=FC4SDCBMF12.0-T1, Pricing 1="1=0.32, 10=0.263, 50=0.2364, 100=0.2102, 500=0.1997 (USD)", Stock 1=37233, Supplier 1=Digi-Key

## Via types
v1: diameter 0.5, hole 0.3, Top Layer to Bottom Layer, tented both sides, 437 vias